# Altium PCB Copy of DIOT_temperature_logger.PcbDoc (part 3 of 7) (continued)
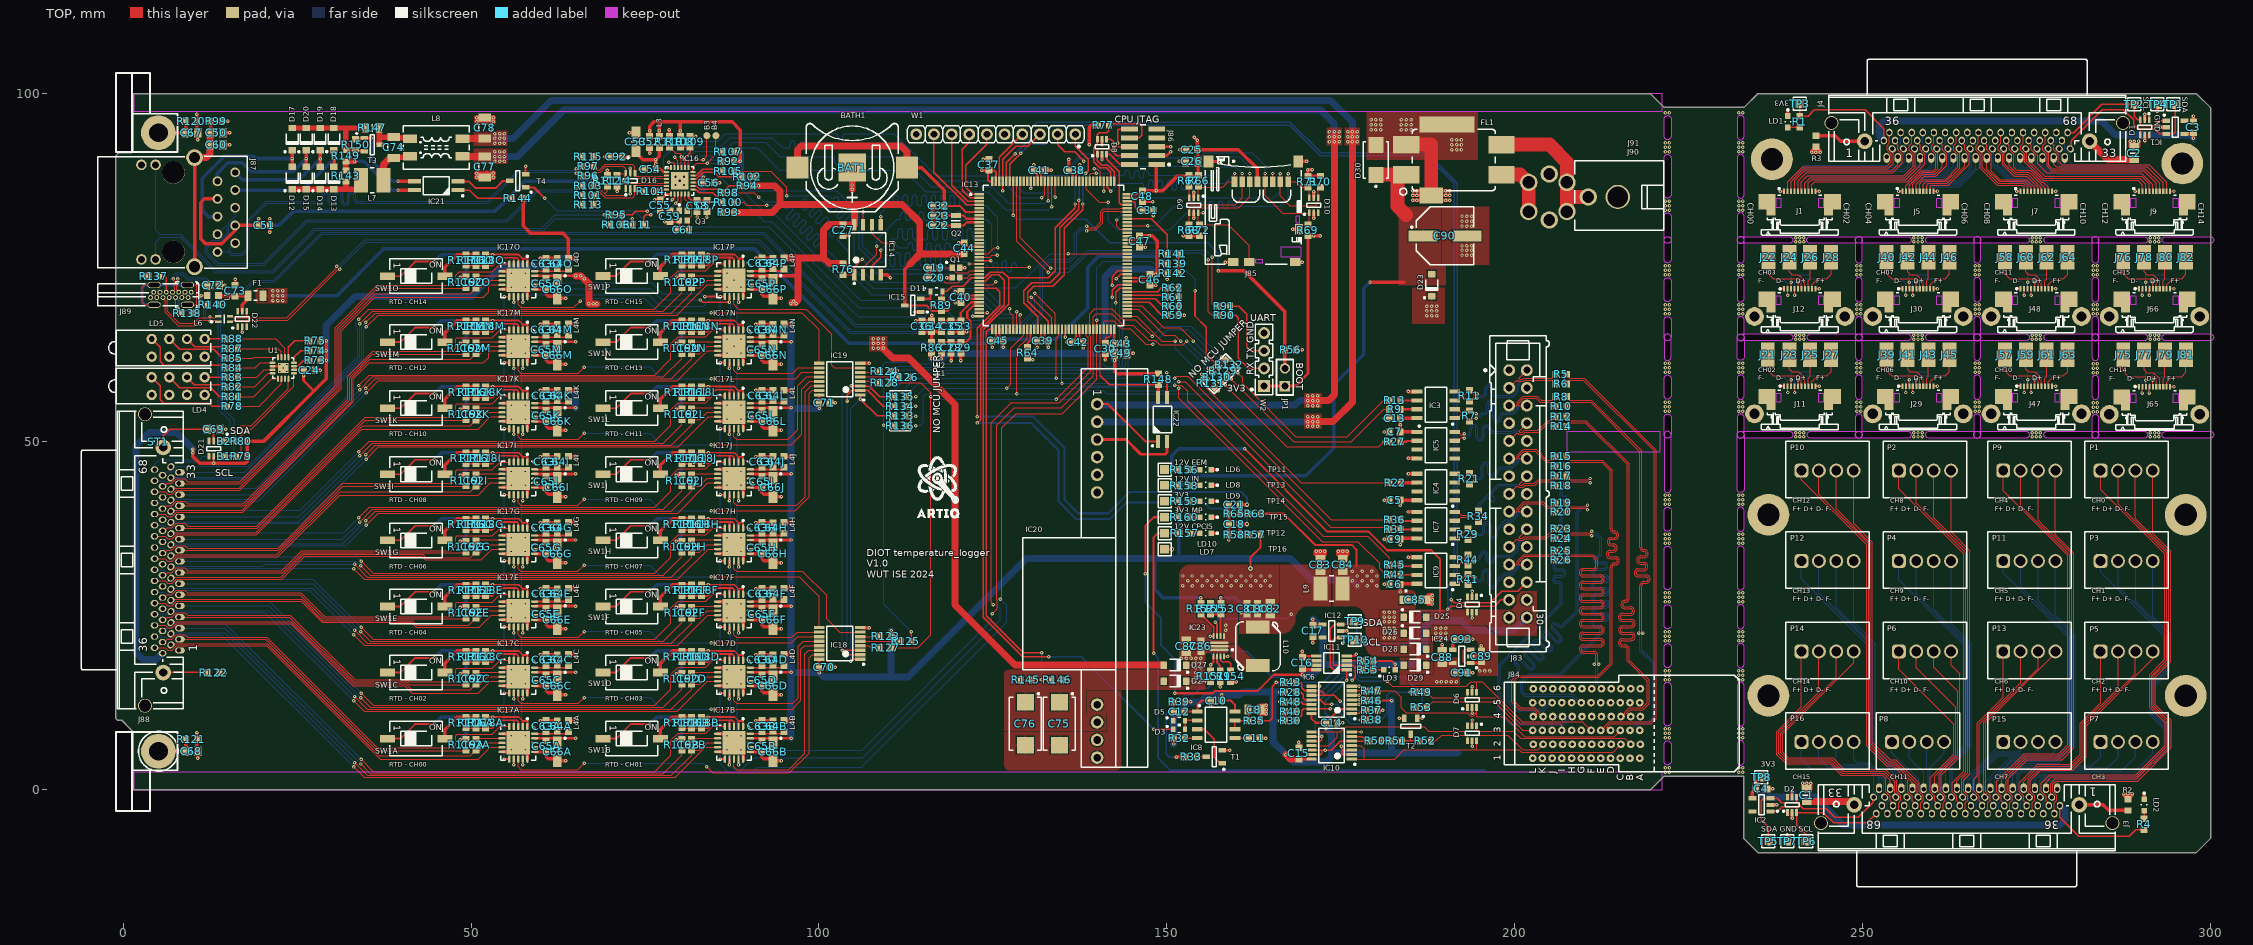
[diagram p0: TOP view]
## Nets (pads, with @x,y where several pads share a name; then routed paths per layer and width w, separated by ;. In a path a pad name is that pad's centre, name@x,y a point inside that pad or via, vN(x,y) a via of type N, cw(c..) or ccw(c..) an arc to the next point about the centre after c; other vN are vias at no path point) (continued)
BP_IO.LVDS3_N: J84.L4 R16.1 | length 63.2
  TOP w0.127: J84.L4@202.7,10.5 202.879,10.5 203.26,10.882 203.26,10.987 202.8,11.447 200.771,11.447 199.583,12.634 199.583,15.691 200.284,16.392 211.979,16.392 213.777,18.19 213.777,30.861 213.777,31.979 cw(c214.374,31.979) 214.374,32.576 214.466,32.576 ccw(c214.466,32.893) 214.466,33.211 213.779,33.211 cw(c213.779,33.807) 213.779,34.404 214.161,34.404 ccw(c214.161,34.722) 214.161,35.039 213.917,35.039 cw(c213.917,35.636) 213.917,36.233 214.374,36.233 ccw(c214.374,36.551) 214.374,36.868 cw(c214.374,37.465) 213.777,37.465 213.777,40.826 213.777,45.796 212.513,47.06 207.961,47.06 207.887,46.986 207.887,46.887 R16.1@207.5,46.5
BP_IO.LVDS3_P: J84.K4 R15.1 | length 63.6
  TOP w0.127: J84.K4@204.1,10.5 203.921,10.5 203.54,10.882 203.54,11.103 202.916,11.726 200.886,11.726 199.863,12.75 199.863,15.576 200.399,16.113 212.095,16.113 214.056,18.074 214.056,30.861 214.056,31.979 cw(c214.374,31.979) 214.374,32.296 214.466,32.296 ccw(c214.466,32.893) 214.466,33.49 213.779,33.49 cw(c213.779,33.807) 213.779,34.125 214.161,34.125 ccw(c214.161,34.722) 214.161,35.319 213.917,35.319 cw(c213.917,35.636) 213.917,35.954 214.374,35.954 ccw(c214.374,36.551) 214.374,37.148 cw(c214.374,37.465) 214.056,37.465 214.056,40.826 214.056,45.912 212.629,47.34 207.961,47.34 207.887,47.414 207.887,47.513 R15.1@207.5,47.9
BP_IO.LVDS4_N: J84.I4 R18.1 | length 63.1
  TOP w0.127: R18.1@207.5,43.7 207.887,44.087 207.887,44.186 207.961,44.26 210.61,44.26 210.784,44.087 v1(210.871,44.087)
  BOT w0.127: J84.I4@206.9,10.5 207.079,10.5 207.46,10.118 207.46,10.013 207.063,9.616 199.472,9.616 197.967,11.121 197.967,17.78 206.867,26.68 206.867,29.113 206.867,29.316 ccw(c206.27,29.316) 206.27,29.913 206.039,29.913 cw(c206.039,30.23) 206.039,30.548 206.811,30.548 ccw(c206.811,31.145) 206.811,31.742 206.039,31.742 cw(c206.039,32.059) 206.039,32.377 206.811,32.377 ccw(c206.811,32.974) 206.811,33.571 206.039,33.571 cw(c206.039,33.888) 206.039,34.206 206.27,34.206 ccw(c206.27,34.802) 206.867,34.802 206.867,35.812 206.867,41.059 206.867,41.55 cw(c207.08,41.55) 207.08,41.763 207.322,41.763 ccw(c207.322,41.977) 207.322,42.19 207.08,42.19 cw(c207.08,42.404) 206.867,42.404 206.867,42.721 206.867,43.685 207.443,44.26 210.61,44.26 210.784,44.087 v1(210.871,44.087)
BP_IO.LVDS4_P: J84.H4 R17.1 | length 63.5
  TOP w0.127: R17.1@207.5,45.1 207.887,44.713 207.887,44.614 207.961,44.54 210.61,44.54 210.784,44.713 v1(210.871,44.713)
  BOT w0.127: J84.H4@208.3,10.5 208.121,10.5 207.74,10.118 207.74,9.897 207.179,9.337 199.356,9.337 197.688,11.005 197.688,17.896 206.587,26.796 206.587,29.113 206.587,29.316 ccw(c206.27,29.316) 206.27,29.634 206.039,29.634 cw(c206.039,30.23) 206.039,30.827 206.811,30.827 ccw(c206.811,31.145) 206.811,31.462 206.039,31.462 cw(c206.039,32.059) 206.039,32.656 206.811,32.656 ccw(c206.811,32.974) 206.811,33.291 206.039,33.291 cw(c206.039,33.888) 206.039,34.485 206.27,34.485 ccw(c206.27,34.802) 206.587,34.802 206.587,35.812 206.587,43.8 207.327,44.54 210.61,44.54 210.784,44.713 v1(210.871,44.713)
BP_IO.LVDS5_N: J84.K5 R20.1 | length 62.8
  TOP w0.127: R20.1@207.5,39.9 207.5,39.95 207.96,40.41 209.164,40.41 210.229,40.41 210.403,40.237 v1(210.49,40.237)
  BOT w0.127: J84.K5@204,12.5 204.179,12.5 204.56,12.118 204.56,12.013 204.139,11.592 200.321,11.592 199.242,12.671 199.242,15.64 200.453,16.851 200.596,16.995 ccw(c200.174,17.417) 200.596,17.839 200.299,18.136 cw(c200.523,18.361) 200.748,18.585 201.953,17.38 ccw(c202.375,17.802) 202.797,17.38 ccw(c202.375,17.802) 202.797,18.224 201.592,19.429 cw(c201.817,19.654) 201.592,19.878 cw(c201.817,19.654) 202.041,19.878 203.246,18.673 ccw(c203.668,19.095) 204.089,18.672 204.091,18.674 ; 204.091,18.674 ccw(c203.668,19.095) 204.09,19.517 202.885,20.722 cw(c203.11,20.947) 202.885,21.171 cw(c203.11,20.947) 203.334,21.171 204.539,19.966 ccw(c204.961,20.388) 205.383,19.966 ccw(c204.961,20.388) 205.383,20.811 204.178,22.015 cw(c204.403,22.24) 204.178,22.464 cw(c204.403,22.24) 204.627,22.464 205.832,21.26 ccw(c206.254,21.682) 206.676,21.259 206.677,21.26 ccw(c206.254,21.682) 206.677,22.104 205.619,23.161 cw(c205.844,23.386) 205.619,23.61 cw(c205.844,23.386) 206.068,23.61 206.217,23.461 ; 206.217,23.461 ccw(c206.64,23.882) 207.062,23.46 209.129,25.527 209.129,26.8 209.129,27.245 cw(c209.319,27.245) 209.319,27.435 209.349,27.435 ccw(c209.349,27.626) 209.349,27.816 209.319,27.816 cw(c209.319,28.007) 209.129,28.007 209.129,30.638 209.129,37.041 209.129,39.681 209.129,39.819 209.72,40.41 210.229,40.41 210.403,40.237 v1(210.49,40.237)
BP_IO.LVDS5_P: J84.J5 R19.1 | length 63.7
  TOP w0.127: R19.1@207.5,41.2 207.5,41.15 207.96,40.69 209.048,40.69 210.229,40.69 210.403,40.864 v1(210.49,40.864)
  BOT w0.127: J84.J5@205.4,12.5 205.221,12.5 204.84,12.118 204.84,11.897 204.255,11.312 200.205,11.312 198.963,12.555 198.963,15.756 200.399,17.192 ccw(c200.174,17.417) 200.399,17.641 200.101,17.938 cw(c200.523,18.361) 200.1,18.782 200.102,18.783 cw(c200.523,18.361) 200.946,18.783 202.15,17.578 ccw(c202.375,17.802) 202.599,17.578 ccw(c202.375,17.802) 202.599,18.027 201.395,19.232 cw(c201.817,19.654) 201.395,20.076 cw(c201.817,19.654) 202.239,20.076 203.444,18.871 ccw(c203.668,19.095) 203.893,19.32 202.688,20.525 cw(c203.11,20.947) 202.688,21.369 cw(c203.11,20.947) 203.532,21.369 204.737,20.164 ccw(c204.961,20.388) 205.186,20.164 ccw(c204.961,20.388) 205.186,20.613 203.981,21.818 cw(c204.403,22.24) 203.981,22.662 cw(c204.403,22.24) 204.825,22.662 206.03,21.457 ccw(c206.254,21.682) 206.479,21.906 205.422,22.964 cw(c205.844,23.386) 205.422,23.808 cw(c205.844,23.386) 206.266,23.808 206.415,23.658 ccw(c206.64,23.882) 206.864,23.658 208.849,25.643 208.849,39.935 209.604,40.69 210.229,40.69 210.403,40.864 v1(210.49,40.864)
BP_IO.LVDS6_N: J84.H5 R24.1 | length 63
  TOP w0.127: R24.1@207.5,36.1 207.887,36.487 207.887,36.586 207.961,36.66 209.482,36.66 210.864,36.66 211.038,36.487 v1(211.125,36.487)
  BOT w0.127: J84.H5@208.2,12.5 208.379,12.5 208.76,12.882 208.76,12.987 208.3,13.447 201.44,13.447 200.908,13.979 200.908,15.471 202.11,16.673 206.46,16.673 212.283,22.496 212.283,22.782 212.283,22.985 ccw(c211.966,22.985) 211.966,23.302 211.67,23.302 cw(c211.67,23.899) 211.67,24.496 213.002,24.496 ccw(c213.002,24.814) 213.002,25.131 211.67,25.131 cw(c211.67,25.728) 211.67,26.325 213.002,26.325 ccw(c213.002,26.643) 213.002,26.96 211.67,26.96 cw(c211.67,27.557) 211.67,28.154 213.002,28.154 ccw(c213.002,28.471) 213.002,28.789 211.67,28.789 cw(c211.67,29.386) 211.67,29.983 213.002,29.983 ccw(c213.002,30.3) 213.002,30.618 211.67,30.618 cw(c211.67,31.215) 211.67,31.811 212.799,31.811 ccw(c212.799,32.129) 212.799,32.446 211.966,32.446 cw(c211.966,33.043) 211.966,33.64 ccw(c211.966,33.958) 212.283,33.958 212.283,35.999 212.042,36.24 211.622,36.66 211.386,36.66 211.212,36.487 v1(211.125,36.487)
BP_IO.LVDS6_P: J84.G5 R23.1 | length 63.5
  TOP w0.127: R23.1@207.5,37.5 207.887,37.113 207.887,37.014 207.961,36.94 209.366,36.94 210.864,36.94 211.038,37.114 v1(211.125,37.114)
  BOT w0.127: J84.G5@209.6,12.5 209.421,12.5 209.04,12.882 209.04,13.103 208.416,13.726 201.556,13.726 201.188,14.095 201.188,15.355 202.226,16.393 206.576,16.393 212.562,22.38 212.562,22.782 212.562,22.985 ccw(c211.966,22.985) 211.966,23.582 211.67,23.582 cw(c211.67,23.899) 211.67,24.217 213.002,24.217 ccw(c213.002,24.814) 213.002,25.411 211.67,25.411 cw(c211.67,25.728) 211.67,26.046 213.002,26.046 ccw(c213.002,26.643) 213.002,27.239 211.67,27.239 cw(c211.67,27.557) 211.67,27.874 213.002,27.874 ccw(c213.002,28.471) 213.002,29.068 211.67,29.068 cw(c211.67,29.386) 211.67,29.703 213.002,29.703 ccw(c213.002,30.3) 213.002,30.897 211.67,30.897 cw(c211.67,31.215) 211.67,31.532 212.799,31.532 ccw(c212.799,32.129) 212.799,32.726 211.966,32.726 cw(c211.966,33.043) 211.966,33.361 ccw(c211.966,33.958) 212.562,33.958 212.562,36.115 212.438,36.24 211.738,36.94 211.386,36.94 211.212,37.114 v1(211.125,37.114)
BP_IO.LVDS7_N: J84.F6 R26.1 | length 63.1
  TOP w0.127: R26.1@207.5,33 207.5,33.05 207.96,33.51 211.177,33.51 211.634,33.053 211.661,33.026 211.661,32.096 cw(c211.344,32.096) 211.344,31.779 209.888,31.779 ccw(c209.888,31.182) 209.888,30.585 212.335,30.585 cw(c212.335,30.268) 212.335,29.95 209.888,29.95 ccw(c209.888,29.353) 209.888,28.756 212.335,28.756 cw(c212.335,28.439) 212.335,28.121 209.888,28.121 ccw(c209.888,27.524) 209.888,26.928 212.335,26.928 cw(c212.335,26.61) 212.335,26.293 209.888,26.293 ccw(c209.888,25.696) 209.888,25.099 212.335,25.099 cw(c212.335,24.781) 212.335,24.464 209.888,24.464 ccw(c209.888,23.867) 209.888,23.27 212.335,23.27 cw(c212.335,22.952) 212.335,22.635 209.888,22.635 ccw(c209.888,22.038) 209.888,21.441 212.335,21.441 cw(c212.335,21.124) 212.335,20.806 209.888,20.806 ccw(c209.888,20.209) 209.888,19.612 211.344,19.612 cw(c211.344,19.295) 211.661,19.295 211.661,19.092 211.661,18.261 211.487,18.087 v1(211.487,18)
  BOT w0.127: J84.F6@211.1,14.5 211.66,15.06 211.66,16.226 ; v1(211.487,18) 211.487,17.913 211.661,17.739 211.661,16.226
BP_IO.LVDS7_P: J84.E6 R25.1 | length 63.6
  TOP w0.127: R25.1@207.5,34.3 207.5,34.25 207.96,33.79 211.293,33.79 211.941,33.142 211.941,33.053 211.941,32.096 cw(c211.344,32.096) 211.344,31.5 209.888,31.5 ccw(c209.888,31.182) 209.888,30.865 212.335,30.865 cw(c212.335,30.268) 212.335,29.671 209.888,29.671 ccw(c209.888,29.353) 209.888,29.036 212.335,29.036 cw(c212.335,28.439) 212.335,27.842 209.888,27.842 ccw(c209.888,27.524) 209.888,27.207 212.335,27.207 cw(c212.335,26.61) 212.335,26.013 209.888,26.013 ccw(c209.888,25.696) 209.888,25.378 212.335,25.378 cw(c212.335,24.781) 212.335,24.184 209.888,24.184 ccw(c209.888,23.867) 209.888,23.549 212.335,23.549 cw(c212.335,22.952) 212.335,22.356 209.888,22.356 ccw(c209.888,22.038) 209.888,21.721 212.335,21.721 cw(c212.335,21.124) 212.335,20.527 209.888,20.527 ccw(c209.888,20.209) 209.888,19.892 211.344,19.892 cw(c211.344,19.295) 211.941,19.295 211.941,19.092 211.941,18.261 212.114,18.087 v1(212.114,18)
  BOT w0.127: 211.94,16.11 211.94,15.06 J84.E6@212.5,14.5 ; 211.941,16.111 211.941,17.739 212.114,17.913 v1(212.114,18)
CC1: J89.B5 R138.1 | length 3
  TOP w0.152: J89.B5@7.53,70.72 7.53,68.67 7.7,68.5 R138.1@8.4,68.5
CC2: J89.A5 R137.2 | length 3.2
  TOP w0.2: R137.2@5.2,73.8 5.98,73.8 6.18,73.6 J89.A5@6.18,71.5
CPU_RESETn: D11.1 IC15.2 T4.1 | length 70.9
  TOP w0.3: T4.1@57.85,86.55 59.05,86.55 60.575,85.025 v1(60.575,85) ; IC15.2@114.65,70.55 116.009,70.55 116.05,70.509 ; D11.1@116.05,71.6 116.05,70.509 ; v1(116.625,69.375) 116.05,69.95 116.05,70.509
  BOT w0.152: v1(60.575,85) 62.375,83.2 73.5,83.2 75.825,80.875 92.775,80.875 105.65,68 115.25,68 v1(116.625,69.375)
CSN: IC13.73 R22.1 R131.2 | length 49.5
  TOP w0.152: IC13.73@144.325,68.05 145.725,68.05 149.3,64.475 v1(151.2,64.475) ; R131.2@155.749,59.126 155.661,59.039 155.25,58.627 155.25,58.225 169.34,44.135 R22.1@182.035,44.135
  TOP w0.5: v1(155.025,59.675) 155.661,59.039 R131.2@155.699,59.001
  BOT w0.152: v1(151.2,64.475) 151.2,63.375 154.9,59.675 v1(155.025,59.675)
EEM_GPIO_0: IC13.56 R36.1 R133.2 | length 92.4
  TOP w0.152: R133.2@112.5,53.7 112.525,53.675 v1(113.95,53.675) ; v1(134.1,59.15) 134.1,64.975 134.45,65.325 IC13.56@134.45,66.175 ; v1(151.175,59.125) 151.475,59.425 153.025,59.425 173.65,38.8 R36.1@182,38.8
  BOT w0.152: v1(113.95,53.675) 112.575,55.05 112.575,57.825 113.9,59.15 v1(134.1,59.15) 144.125,59.15 144.55,59.575 149.415,59.575 149.84,59.15 151.15,59.15 v1(151.175,59.125)
EEM_GPIO_1: IC13.57 R31.1 R134.2 | length 89.9
  TOP w0.152: R134.2@112.5,55.1 v1(113.95,55.1) ; v1(134.95,58.375) IC13.57@134.95,66.175 ; v1(151.75,58.65) 152.675,58.65 173.6,37.725 181.675,37.725 R31.1@182,37.4
  BOT w0.152: v1(113.95,55.1) 113.275,55.775 113.275,57.325 114.325,58.375 v1(134.95,58.375) 150.734,58.375 150.962,58.603 151.338,58.603 151.441,58.5 151.6,58.5 v1(151.75,58.65)
EEM_GPIO_2: IC13.46 R45.1 R135.2 | length 91.9
  TOP w0.152: R135.2@112.5,56.5 v1(113.95,56.5) ; v1(127,57.675) 127.575,58.25 127.575,63.425 129.45,65.3 IC13.46@129.45,66.175 ; v1(151.15,58.15) 152.125,58.15 153.05,57.225 153.05,55.9 172.525,36.425 178.875,36.425 182,33.3 R45.1@182,32.3
  BOT w0.152: v1(113.95,56.5) 115.125,57.675 v1(127,57.675) 137.33,57.675 137.734,58.079 143.016,58.079 143.12,57.975 150.975,57.975 v1(151.15,58.15)
EEM_GPIO_3: IC13.47 R42.1 R136.2 | length 96.6
  TOP w0.152: R136.2@112.5,52.3 v1(113.903,52.3) ; v1(128.475,56.9) 128.475,63.35 129.95,64.825 IC13.47@129.95,66.175 ; v1(151.75,57.675) 151.75,56.275 159.784,48.241 172.375,35.65 177.475,35.65 180.6,32.525 180.6,31.75 181.45,30.9 R42.1@182,30.9
  BOT w0.152: v1(113.903,52.3) 114.45,52.3 114.975,52.825 114.975,56.45 115.425,56.9 115.859,56.9 115.912,56.953 116.288,56.953 116.341,56.9 v1(128.475,56.9) 136.95,56.9 137.85,57.8 142.9,57.8 143.4,57.3 151.375,57.3 v1(151.75,57.675)
EEM_SCK: IC13.69 R13.1 R132.2 | length 54.4
  TOP w0.152: IC13.69@140.95,66.175 140.95,67.25 141.075,67.375 142.425,67.375 143.55,66.25 144.775,66.25 147.025,64 v1(148.025,64) ; v1@160.25,59.825 160.9,59.175 160.9,58.375 168.575,50.7 175.952,50.7 181.187,55.935 R13.1@182,55.935
  TOP w0.5: R132.2@159.566,60.534 v1(160.2,59.9)
  BOT w0.152: v1(148.025,64) 150.125,66.1 153.15,66.1 158.15,61.1 158.975,61.1 v1@160.25,59.825
EEM_SDI: IC13.76 R9.1 R129.2 | length 48.6
  TOP w0.152: IC13.76@144.325,69.55 146.45,69.55 149.6,66.4 151.925,66.4 153.825,64.5 v1(153.825,64.475) ; v1(159.25,59.05) 159.25,59 168.25,50 176.533,50 181.198,54.665 R9.1@182,54.665
  TOP w0.5: R129.2@158.666,59.634 v1(159.25,59.05)
  BOT w0.152: v1(153.825,64.475) v1(159.25,59.05)
EEM_SDO: IC13.75 R27.1 R130.2 | length 47.5
  TOP w0.152: IC13.75@144.325,69.05 145.925,69.05 149.65,65.325 151.175,65.325 v1(152.025,64.475) ; v1(158.4,58.175) 158.4,58.125 167.275,49.25 180.5,49.25 v1(181.25,50)
  TOP w0.5: R130.2@157.816,58.759 v1(158.4,58.175) ; v1(181.25,50) R27.1@182,50
  BOT w0.152: v1(152.025,64.475) 155.4,61.1 155.4,60.4 156.25,59.55 157.025,59.55 v1(158.4,58.175)
FDCAN1_RX: IC13.115
FDCAN1_TX: IC13.114
FFORCE_N00: J1.2 J4.36 | length 22.1
  TOP w0.152: J1.2@239.25,86 239.25,87.375 241.4,89.525 253.425,89.525 254.15,90.25 254.15,91.319 253.547,91.921 253.547,92.572 253.895,92.92 J4.36@253.895,94.45
FFORCE_N01: J2.9 J4.38 | length 23.7
  BOT w0.152: J2.9@239.25,86 239.25,87.375 241.618,89.743 255.243,89.743 255.75,90.25 255.75,91.319 255.147,91.921 255.147,92.572 255.495,92.92 J4.38@255.495,94.45
FFORCE_N02: J1.6 J4.40 | length 23.6
  TOP w0.152: J1.6@241.25,86 241.25,87.35 242.113,88.213 255.963,88.213 257.35,89.6 257.35,91.319 256.747,91.921 256.747,92.572 257.095,92.92 J4.40@257.095,94.45
FFORCE_N03: J2.5 J4.42 | length 24.8
  BOT w0.152: J2.5@241.24,86 241.24,87.34 242.225,88.325 256.075,88.325 257.468,89.718 258.393,89.718 258.95,90.275 258.95,91.319 258.347,91.921 258.347,92.572 258.695,92.92 J4.42@258.695,94.45
FFORCE_N04: J4.44 J5.2 | length 11.6
  TOP w0.152: J5.2@256.25,86 256.25,86.775 258.463,88.988 260.203,88.988 260.548,89.334 260.548,91.321 259.947,91.921 259.947,92.572 260.295,92.92 J4.44@260.295,94.45
FFORCE_N05: J4.46 J6.9 | length 13.1
  BOT w0.152: J6.9@256.25,86 256.25,86.775 ; 256.266,86.791 258.075,88.6 261.132,88.6 262.15,89.618 262.15,91.319 261.547,91.921 261.547,92.572 261.895,92.92 J4.46@261.895,94.45
FFORCE_N06: J4.48 J5.6 | length 13
  TOP w0.152: J5.6@258.25,86 258.25,87.11 258.827,87.688 261.978,87.688 263.748,89.459 263.748,91.321 263.147,91.921 263.147,92.572 263.495,92.92 J4.48@263.495,94.45
FFORCE_N07: J4.50 J6.5 | length 14.7
  BOT w0.152: J6.5@258.24,86 258.24,87.094 258.628,87.482 263.647,87.482 265.35,89.185 265.35,91.319 264.747,91.921 264.747,92.572 265.095,92.92 J4.50@265.095,94.45
FFORCE_N08: J4.52 J7.2 | length 13.6
  TOP w0.152: J4.52@266.695,94.45 266.695,92.92 266.347,92.572 266.347,91.921 266.948,91.321 266.948,89.307 269.405,86.85 273.062,86.85 273.25,86.662 J7.2@273.25,86.055 ; J7.2@273.195,86.055 J7.2@273.25,86
FFORCE_N09: J4.54 J8.9 | length 11.8
  BOT w0.152: J4.54@268.295,94.45 268.295,92.92 267.947,92.572 267.947,91.921 268.55,91.319 268.55,89.9 271.175,87.275 272.965,87.275 273.25,86.99 J8.9@273.25,86
FFORCE_N10: J4.56 J7.6 | length 12
  TOP w0.152: J4.56@269.895,94.45 269.895,92.92 269.547,92.572 269.547,91.921 270.148,91.321 270.148,89.852 271.85,88.15 273.625,88.15 275.25,86.525 J7.6@275.25,86
FFORCE_N11: J4.58 J8.5 | length 10.9
  BOT w0.152: J4.58@271.495,94.45 271.495,92.92 271.147,92.572 271.147,91.921 271.75,91.319 271.75,89.9 272.875,88.775 273.935,88.775 275.24,87.47 J8.5@275.24,86
FFORCE_N12: J4.60 J9.2 | length 23.9
  TOP w0.152: J4.60@273.095,94.45 273.095,92.92 272.747,92.572 272.747,91.921 273.348,91.321 273.348,90.178 275.926,87.6 289.625,87.6 290.25,86.976 J9.2@290.25,86
FFORCE_N13: J4.62 J10.9 | length 22.4
  BOT w0.152: J4.62@274.695,94.45 274.695,92.92 274.347,92.572 274.347,91.921 274.95,91.319 274.95,89.95 277.288,87.612 289.588,87.612 290.25,86.95 J10.9@290.25,86
FFORCE_N14: J4.64 J9.6 | length 23.1
  TOP w0.152: J4.64@276.295,94.45 276.295,92.92 275.947,92.572 275.947,91.921 276.548,91.321 276.548,89.767 276.55,89.765 276.55,89.6 277.179,88.971 279.809,88.971 279.814,88.966 290.459,88.966 292.25,87.175 J9.6@292.25,86
FFORCE_N15: J4.66 J10.5 | length 21.4
  BOT w0.152: J4.66@277.895,94.45 277.895,92.92 277.547,92.572 277.547,91.921 278.15,91.319 278.15,89.825 278.988,88.987 290.438,88.987 292.24,87.185 J10.5@292.24,86
FFORCE_P00: J1.5 J4.37 | length 21.2
  TOP w0.152: J1.5@240.76,86 240.76,87.51 241.937,88.687 254.362,88.687 255.75,90.075 255.75,91.319 255.1,91.969 255.1,92.606 254.695,93.011 J4.37@254.695,93.3
FFORCE_P01: J2.6 J4.39 | length 22.8
  BOT w0.152: J2.6@240.75,86 240.75,87.5 242.154,88.904 256.093,88.904 257.4,90.212 257.4,91.269 256.7,91.969 256.7,92.606 256.295,93.011 J4.39@256.295,93.3
FFORCE_P02: J1.9 J4.41 | length 22.2
  TOP w0.152: J1.9@242.75,86 242.75,86.975 243.15,87.375 256.425,87.375 258.95,89.9 258.95,91.319 258.3,91.969 258.3,92.606 257.895,93.011 J4.41@257.895,93.3
FFORCE_P03: J2.2 J4.43 | length 23.8
  BOT w0.152: J2.2@242.75,86 242.75,86.975 243.262,87.487 256.537,87.487 257.929,88.879 259.454,88.879 260.6,90.025 260.6,91.269 259.9,91.969 259.9,92.606 259.495,93.011 J4.43@259.495,93.3
FFORCE_P04: J4.45 J5.5 | length 10.5
  TOP w0.152: J5.5@257.76,86 257.76,87.016 258.894,88.15 260.55,88.15 262.15,89.75 262.15,91.319 261.5,91.969 261.5,92.606 261.095,93.011 J4.45@261.095,93.3
FFORCE_P05: J4.47 J6.6 | length 12.2
  BOT w0.152: J6.6@257.75,86 257.75,87 258.512,87.762 261.737,87.762 263.8,89.825 263.8,91.269 263.1,91.969 263.1,92.606 262.695,93.011 J4.47@262.695,93.3
FFORCE_P06: J4.49 J5.9 | length 11.5
  TOP w0.152: J5.9@259.75,86 259.75,86.724 259.875,86.85 262.325,86.85 265.35,89.875 265.35,91.319 264.7,91.969 264.7,92.606 264.295,93.011 J4.49@264.295,93.3
FFORCE_P07: J4.51 J6.2 | length 13.2
  BOT w0.152: J6.2@259.75,86 259.75,86.555 259.839,86.644 263.994,86.644 267,89.65 267,91.269 266.3,91.969 266.3,92.606 265.895,93.011 J4.51@265.895,93.3
FFORCE_P08: J4.53 J7.5 | length 12.5
  TOP w0.152: J4.53@267.495,93.3 267.495,93.011 267.9,92.606 267.9,91.969 268.55,91.319 268.55,88.915 269.777,87.688 273.586,87.688 274.76,86.515 J7.5@274.76,86
FFORCE_P09: J4.55 J8.6 | length 10.7
  BOT w0.152: J4.55@269.095,93.3 269.095,93.011 269.5,92.606 269.5,91.969 270.2,91.269 270.2,89.471 271.471,88.2 273.225,88.2 274.75,86.675 J8.6@274.75,86
FFORCE_P10: J4.57 J7.9 | length 10.8
  TOP w0.152: J4.57@270.695,93.011 271.1,92.606 271.1,91.969 271.75,91.319 271.75,89.435 272.181,89.004 274.121,89.004 274.125,89 274.131,89 275.81,87.321 276.004,87.321 276.75,86.575 J7.9@276.75,86
FFORCE_P11: J4.59 J8.2 | length 9.4
  BOT w0.152: J4.59@272.295,93.3 272.295,93.011 272.7,92.606 272.7,91.969 273.4,91.269 273.4,90.137 273.863,89.675 274.225,89.675 276.75,87.15 J8.2@276.75,86
FFORCE_P12: J4.61 J9.5 | length 22.6
  TOP w0.152: J4.61@273.895,93.3 273.895,93.011 274.3,92.606 274.3,91.969 275.225,91.044 275.225,89.95 276.5,88.675 290.048,88.675 291.76,86.963 J9.5@291.76,86
FFORCE_P13: J4.63 J10.6 | length 21.2
  BOT w0.152: J4.63@275.495,93.3 275.495,93.011 275.9,92.606 275.9,91.969 276.6,91.269 276.6,89.85 278,88.45 290.275,88.45 291.75,86.975 J10.6@291.75,86
FFORCE_P14: J4.65 J9.9 | length 21.5
  TOP w0.152: J4.65@277.095,93.3 277.095,93.011 277.5,92.606 277.5,91.969 278.15,91.319 278.15,90.35 278.675,89.825 291.225,89.825 293.75,87.3 J9.9@293.75,86
FFORCE_P15: J4.67 J10.2 | length 19.6
  BOT w0.152: J4.67@278.695,93.3 278.695,93.011 279.1,92.606 279.1,91.969 279.8,91.269 279.8,90.225 280.2,89.825 291.225,89.825 293.75,87.3 293.75,86.4
FORCE_N00: IC17A.9 J88.36 | length 57.8
  TOP w0.152: J88.36@4.5,20.395 6.03,20.395 6.378,20.047 7.029,20.047 7.631,20.65 20.6,20.65 36.925,4.325 51.025,4.325 52.775,6.075 IC17A.9@54.45,6.075
FORCE_N01: IC17B.9 J88.38 | length 91.6
  TOP w0.152: v1(33.125,3.25) 34.627,1.748 79.368,1.748 83.695,6.075 IC17B.9@85.45,6.075
  BOT w0.152: J88.38@4.5,21.995 6.03,21.995 6.378,21.647 7.029,21.647 7.631,22.25 14.125,22.25 v1(33.125,3.25)
FORCE_N02: IC17C.9 J88.40 | length 55.2
  TOP w0.152: J88.40@4.5,23.595 6.03,23.595 6.378,23.247 7.029,23.247 7.631,23.85 24.055,23.85 32.989,14.916 40.484,14.916 41.575,13.825 51.025,13.825 52.775,15.575 IC17C.9@54.45,15.575
FORCE_N03: IC17D.9 J88.42 | length 89
  TOP w0.152: v1(33.125,12.75) 34.627,11.248 79.623,11.248 83.95,15.575 IC17D.9@85.45,15.575
  BOT w0.152: J88.42@4.5,25.195 6.03,25.195 6.378,24.847 7.029,24.847 7.631,25.45 20.425,25.45 v1(33.125,12.75)
FORCE_N04: IC17E.9 J88.44 | length 52.6
  TOP w0.152: J88.44@4.5,26.795 6.03,26.795 6.378,26.447 7.029,26.447 7.631,27.05 25.565,27.05 28.598,24.016 41.416,24.016 42.107,23.325 51.175,23.325 52.925,25.075 IC17E.9@54.45,25.075
FORCE_N05: IC17F.9 J88.46 | length 86.4
  TOP w0.152: v1(33.125,22.25) 34.627,20.748 79.723,20.748 84.05,25.075 IC17F.9@85.45,25.075
  BOT w0.152: J88.46@4.5,28.395 5.874,28.395 6.198,28.071 7.052,28.071 7.629,28.648 26.727,28.648 v1(33.125,22.25)
FORCE_N06: IC17G.9 J88.48 | length 52.5
  TOP w0.152: J88.48@4.5,29.995 6.03,29.995 6.378,29.647 7.029,29.647 7.631,30.25 22.795,30.25 26.061,33.516 42.909,33.516 43.35,33.075 43.355,33.075 43.384,33.046 51.441,33.046 52.525,34.13 52.97,34.575 IC17G.9@54.45,34.575
FORCE_N07: IC17H.9 J88.50 | length 83.8
  TOP w0.152: v1(33.125,31.75) 34.627,30.248 79.748,30.248 84.075,34.575 IC17H.9@85.45,34.575
  BOT w0.152: J88.50@4.5,31.595 5.874,31.595 6.198,31.271 7.052,31.271 7.629,31.848 32.931,31.848 33.029,31.75 v1(33.125,31.75)
FORCE_N08: IC17I.9 J88.52 | length 54.7
  TOP w0.152: J88.52@4.5,33.195 6.03,33.195 6.378,32.847 7.029,32.847 7.631,33.45 22.22,33.45 31.095,42.325 51.025,42.325 52.775,44.075 IC17I.9@54.45,44.075
FORCE_N09: IC17J.9 J88.54 | length 85.1
  TOP w0.152: v1(34.936,38.01) 36.675,39.748 79.723,39.748 84.05,44.075 IC17J.9@85.45,44.075
  BOT w0.152: J88.54@4.5,34.795 5.874,34.795 6.198,34.471 7.052,34.471 7.631,35.05 31.977,35.05 v1(34.936,38.01)
FORCE_N10: IC17K.9 J88.56 | length 57.4
  TOP w0.152: J88.56@4.5,36.395 6.03,36.395 6.378,36.047 7.029,36.047 7.631,36.65 19.145,36.65 34.32,51.825 51.025,51.825 52.775,53.575 IC17K.9@54.45,53.575
FORCE_N11: IC17L.9 J88.58 | length 87.7
  TOP w0.152: v1(34.936,47.51) 36.675,49.248 79.773,49.248 84.1,53.575 IC17L.9@85.45,53.575
  BOT w0.152: J88.58@4.5,37.995 5.874,37.995 6.198,37.671 7.052,37.671 7.631,38.25 25.677,38.25 v1(34.936,47.51)
FORCE_N12: IC17M.9 J88.60 | length 62.3
  TOP w0.152: J88.60@4.5,39.595 6.03,39.595 6.378,39.247 7.029,39.247 7.631,39.85 17.215,39.85 33.1,55.735 33.1,59.055 35.37,61.325 51.75,61.325 52.525,62.1 52.525,62.825 52.775,63.075 IC17M.9@54.45,63.075
FORCE_N13: IC17N.9 J88.62 | length 90.3
  TOP w0.152: v1(34.936,57.01) 36.675,58.748 79.648,58.748 83.975,63.075 IC17N.9@85.45,63.075
  BOT w0.152: J88.62@4.5,41.195 5.874,41.195 6.198,40.871 7.052,40.871 7.631,41.45 19.377,41.45 v1(34.936,57.01)
FORCE_N14: IC17O.9 J88.64 | length 67.9
  TOP w0.152: J88.64@4.5,42.795 6.03,42.795 6.378,42.447 7.029,42.447 7.631,43.05 16.77,43.05 31.325,57.605 31.325,65.975 36.15,70.8 51.75,70.8 52.525,71.575 52.525,72.3 52.775,72.55 IC17O.9@54.45,72.55
FORCE_N15: IC17P.9 J88.66 | length 95.4
  TOP w0.152: v1(34.936,66.51) 36.627,68.2 79.575,68.2 83.95,72.575 IC17P.9@85.45,72.575
  BOT w0.152: J88.66@4.5,44.395 5.874,44.395 6.198,44.071 7.052,44.071 7.631,44.65 17.35,44.65 34.55,61.85 34.55,66.123 v1(34.936,66.51)
FORCE_P00: IC17A.5 J88.37 | length 59
  TOP w0.152: J88.37@5.65,21.195 5.939,21.195 6.344,21.6 6.981,21.6 7.631,22.25 8.875,22.25 9.251,21.874 20.651,21.874 36.525,6 47.3,6 47.775,6.475 47.775,7.75 47.975,7.95 53.075,7.95 54.2,9.075 IC17A.5@55.5,9.075
FORCE_P01: IC17B.5 J88.39 | length 94.1
  TOP w0.152: v1(34.2,4.325) 35.939,2.586 76.411,2.586 78.725,4.9 78.725,7.072 79.752,8.098 83.765,8.098 84.742,9.075 IC17B.5@86.5,9.075
  BOT w0.152: J88.39@5.65,22.795 5.939,22.795 6.344,23.2 6.981,23.2 7.631,23.85 14.675,23.85 v1(34.2,4.325)
FORCE_P02: IC17C.5 J88.41 | length 56.4
  TOP w0.152: J88.41@5.65,24.395 5.939,24.395 6.344,24.8 6.981,24.8 7.631,25.45 8.875,25.45 9.251,25.074 24.016,25.074 33.336,15.754 40.848,15.754 41.103,15.5 47.3,15.5 47.775,15.975 47.775,17.25 47.975,17.45 53.075,17.45 54.2,18.575 IC17C.5@55.5,18.575
FORCE_P03: IC17D.5 J88.43 | length 91.4
  TOP w0.152: v1(34.2,13.825) 35.939,12.086 76.411,12.086 78.725,14.4 78.725,16.572 79.752,17.598 83.765,17.598 84.742,18.575 IC17D.5@86.5,18.575
  BOT w0.152: J88.43@5.65,25.995 5.939,25.995 6.344,26.4 6.981,26.4 7.631,27.05 20.975,27.05 v1(34.2,13.825)
FORCE_P04: IC17E.5 J88.45 | length 53.9
  TOP w0.152: J88.45@5.65,27.595 5.939,27.595 6.344,28 6.981,28 7.631,28.65 8.875,28.65 9.251,28.274 25.526,28.274 28.946,24.854 47.154,24.854 47.775,25.475 47.775,26.75 47.975,26.95 53.075,26.95 54.2,28.075 IC17E.5@55.5,28.075
FORCE_P05: IC17F.5 J88.47 | length 88.8
  TOP w0.152: v1(34.2,23.325) 35.939,21.586 76.411,21.586 78.725,23.9 78.725,26.072 79.752,27.098 83.765,27.098 84.742,28.075 IC17F.5@86.5,28.075
  BOT w0.152: J88.47@5.65,29.195 5.758,29.195 6.234,29.671 7.052,29.671 7.629,30.248 27.277,30.248 v1(34.2,23.325)
FORCE_P06: IC17G.5 J88.49 | length 53.7
  TOP w0.152: J88.49@5.65,30.795 5.939,30.795 6.344,31.2 6.981,31.2 7.631,31.85 8.875,31.85 9.251,31.474 22.804,31.474 25.684,34.354 47.154,34.354 47.775,34.975 47.775,36.25 47.975,36.45 53.075,36.45 54.2,37.575 IC17G.5@55.5,37.575